# Altium PCB FMC_ADC_250M_16B_4ch.PcbDoc (part 2 of 8) (continued)
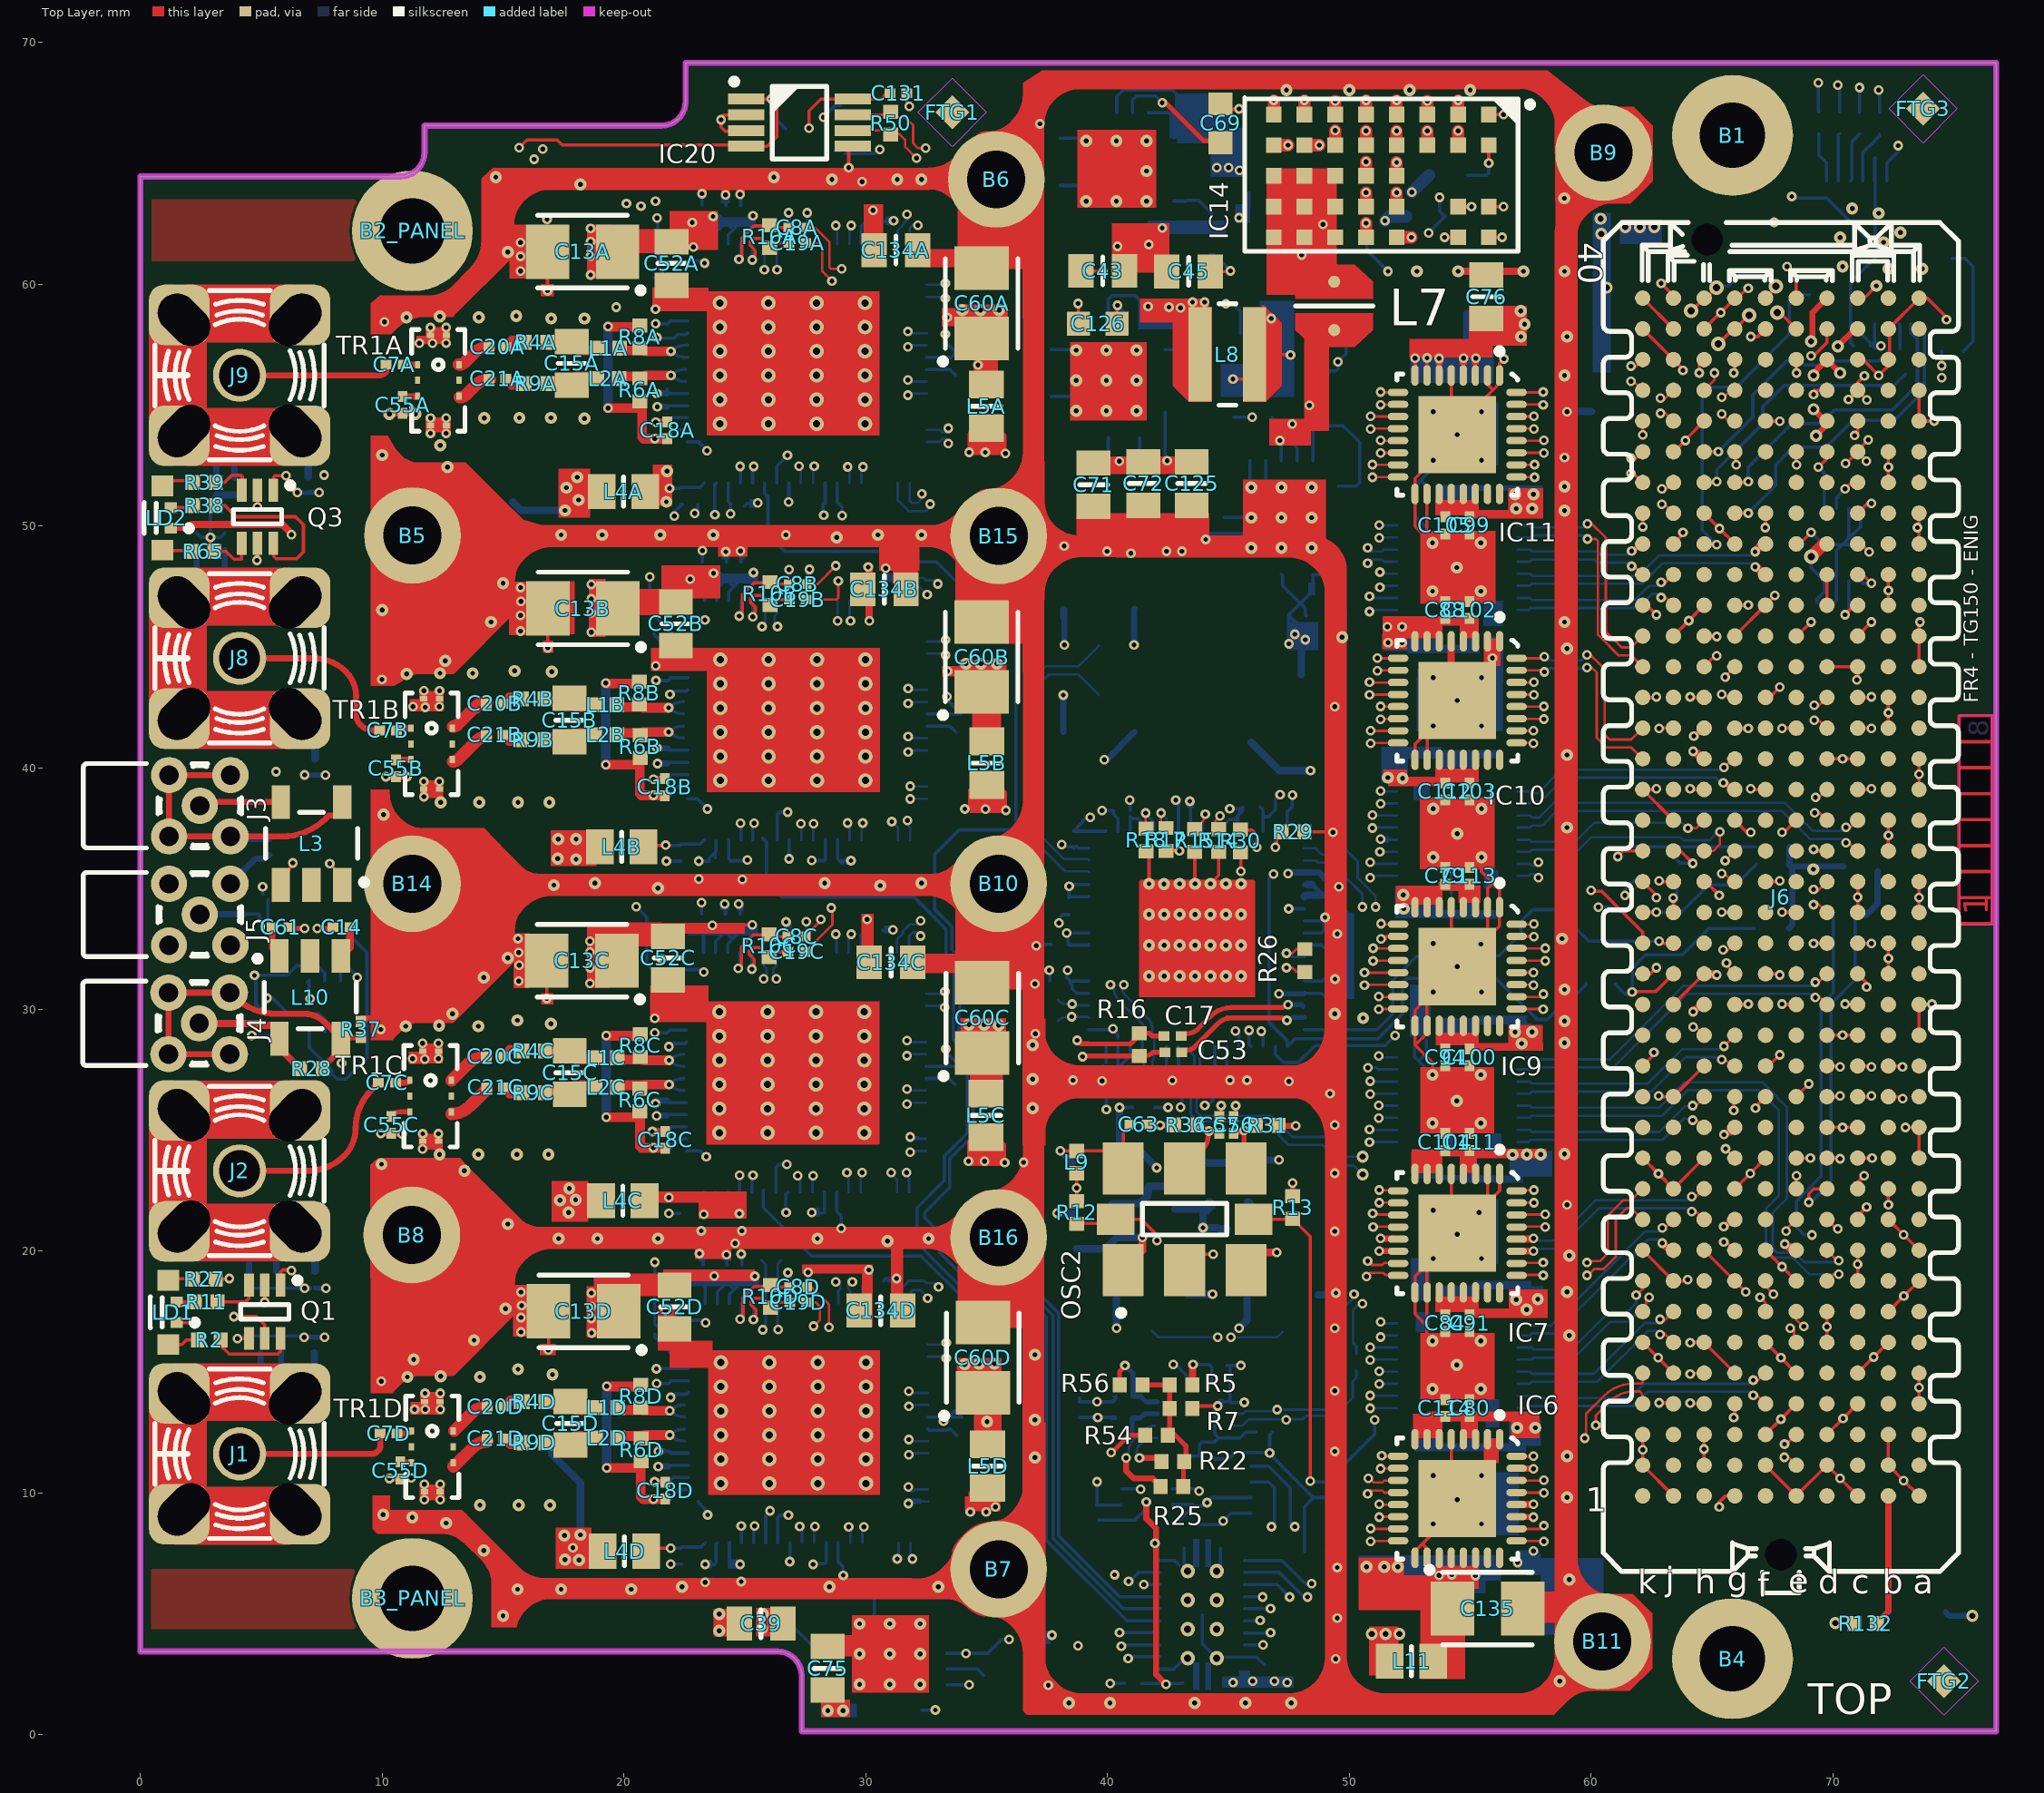
[diagram p0: Top Layer view]
## Footprints (in the part's own frame and the unit in brackets; to place one, negate y for a bottom-side part, rotate by r counter-clockwise, add the part's x,y. Pads: shape width x height; smd on the part's side, far side on the other; paste and mask are expansions set on the pad) (continued)
  silkscreen extent -2.1,-1.1 2.1,1.1, body extent -2.05,-1.05 2.05,1.05, height 0.91
"XFMR_MA-COM_SM-22 (H260)" [mm] "MA-COM E-Serie RF 1:1 Transmission Line Ttransformer 4.5-3000MHz"
  rect 0.76x1.4 smd: 1(-1.27,1.715) 2(0,1.715) 3(1.27,1.715) 4(1.27,-1.715) 5(-1.27,-1.715)
  silkscreen extent -2.3,-1.3 1.91,1.72, body extent -1.9,-1.9 1.91,1.91, height 2.6

## Part data
AVDD1 AVDD2 OVDD P3V3 P3V3D VBUF VCLK: library part SMD_PAD_1.27X1.27MM, Author="CERN DEM JLC", ComponentHeight=0mm, Component Type="Standard (No BOM)", CreateDate=12/01/2008, Family="Test Point", HelpURL=Undefined, LatestRevisionDate=12/01/2008, Mounted=No, PackageDescription="1.27mm x 1.27mm PCB Copper Area (SMD Test Point)", Part Description="1.27mm x 1.27mm PCB Copper Area (SMD Test Point)", Part Number=SMD_PAD_1.27X1.27MM, Pin Count=1, Sense=No, SMD=Yes, Socket=No, Status=None
B1 B2_PANEL B3_PANEL B4: library part PLATED_HOLE2.7_PAD5.0_M, "Single Terminal Socket", Author="LNLS DIG FCS", ComponentHeight=0mm, Component Type="Standard (No BOM)", CreateDate=06/06/2016, Family="Plated Hole", HelpURL=Undefined, LatestRevisionDate=06/06/2016, Mounted=No, PackageDescription="Plated Through Hole: Hole Dia.=2.7mm Pad Dia.=5.0mm Middle hole 3mm", Part Description="Plated Through Hole: Hole Dia.=2.7mm Pad Dia.=5.0mm Middle hole 3mm", Part Number=PLATED_HOLE2.7_PAD5.0_M, Pin Count=1, Sense=No, SMD=No, Socket=No, Status=None
B5 B6 B7 B8 B9 B10 B11 B14 B15 B16: library part PLATED_HOLE2.4_PAD4.0_M, "Single Terminal Socket", Author="LNLS DIG FCS", ComponentHeight=0mm, Component Type="Standard (No BOM)", CreateDate=06/06/2016, Family="Plated Hole", HelpURL=Undefined, LatestRevisionDate=06/06/2016, Mounted=No, PackageDescription="Plated Through Hole: Hole Dia.=2.4mm Pad Dia.=4.0mm Middle hole 2.8mm", Part Description="Plated Through Hole: Hole Dia.=2.4mm Pad Dia.=4.0mm Middle hole 2.8mm", Part Number=PLATED_HOLE2.4_PAD4.0_M, Pin Count=1, Sense=No, SMD=No, Socket=No, Status=None
C1A C1B C1C C1D C2A C2B C2C C2D C3A C3B C3C C3D C4A C4B C4C C4D C5A C5B C5C C5D C6A C6B C6C C6D C7A C7B C7C C7D C8A C8B C8C C8D C9A C9B C9C C9D C10A C10B C10C C10D C11A C11B C11C C11D C12A C12B C12C C12D C14 C16 C17 C18A C18B C18C C18D C19A C19B C19C C19D C20A C20B C20C C20D C21A C21B C21C C21D C22 C23 C24A C24B C24C C24D C25 C26 C27 C28 C29 C30 C31 C32 C33 C34 C35 C37 C38 C47 C48 C49 C50 C51 C53 C54A C54B C54C C54D C55 C55A C55B C55C C55D C56 C57 C58 C61 C62 C63 C78 C79 C80 C81 C83 C84 C85 C86 C88 C89 C90 C91 C93 C94 C95 C96 C98 C99 C100 C101 C103 C104 C105 C106 C107 C108 C109 C110 C112 C114 C115 C116 C118 C119 C120 C121 C124 C129 C130 C132 C133A C133B C133C C133D: library part CC0201_100NF_6.3V_10%_X5R, "Non-polarised capacitor", Case=0201, Manufacturer=GENERIC, Manufacturer1 ComponentHeight=0.33mm, Manufacturer1 Example=AVX, Manufacturer1 Part Number=02016D104KAT2A, Tolerance=±10%, Voltage=6.3V, Author="CERN DEM JLC", Component Type=Standard, CreateDate=03/12/2007, HelpURL=\\cern.ch\dfs\Applications\Altium\Datasheets\CC0201_X5R_AVX.pdf, LatestRevisionDate=03/12/2007, Manufacturer Part Number=CC0201_100NF_6.3V_10%_X5R, Mounted=Yes, Part Description="SMD Multilayer Chip Ceramic Capacitor", Part Number=CC0201_100NF_6.3V_10%_X5R, Pin Count=2, Sense=No, SMD=Yes, Socket=No, Status="Not Recommended", Table="Capacitors SMD", TC=X5R
C13A C13B C13C C13D C60A C60B C60C C60D C135: library part CTE3528-21_47UF_6.3V_10%_LESR0250, "Polarised capacitor", Case=B, Manufacturer=GENERIC, Manufacturer1 ComponentHeight=2.1mm, Manufacturer1 Example=AVX, Manufacturer1 Part Number=TPSB476K006R0250, Tolerance=±10%, Voltage=6.3V, Author="CERN DEM JLC", Component Type=Standard, CreateDate=05/05/2008, HelpURL=\\cern.ch\dfs\Applications\Altium\Datasheets\CTE-LESR_AVX_TPS.pdf, LatestRevisionDate=20/01/2009, Manufacturer Part Number=CTE3528-21_47UF_6.3V_10%_LESR0250, Mounted=Yes, Part Description="Low ESR 0R25 Solid Tantalum Chip Capacitor", Part Number=CTE3528-21_47UF_6.3V_10%_LESR0250, Pin Count=2, Sense=No, SMD=Yes, Socket=No, Status=Preferred
C15A C15B C15C C15D: library part CC0805_12PF_50V_5%_NP0, "Non-polarised capacitor", Case=0805, Manufacturer=GENERIC, Manufacturer1 ComponentHeight=1.35mm, Manufacturer1 Example=PHYCOMP, Manufacturer1 Part Number=223886115129, Tolerance=±5%, Voltage=50V, Author="CERN DEM JLC", Component Type=Standard, CreateDate=03/12/2007, HelpURL=\\cern.ch\dfs\Applications\Altium\Datasheets\CC0805_NP0_PHYCOMP.pdf, LatestRevisionDate=03/12/2007, Manufacturer Part Number=CC0805_12PF_50V_5%_NP0, Mounted=Yes, Part Description="SMD Multilayer Chip Ceramic Capacitor", Part Number=CC0805_12PF_50V_5%_NP0, Pin Count=2, Sense=No, SMD=Yes, Socket=No, Status=Preferred, TC=C0G/NP0
C36 C39 C40 C42 C43 C44 C45 C70 C71 C72 C73 C74 C75 C77 C125 C127: library part CC0805_10UF_16V_10%_X5R, "Non-polarised capacitor", Case=0805, Manufacturer=GENERIC, Manufacturer1 ComponentHeight=1.4mm, Manufacturer1 Example=KEMET, Manufacturer1 Part Number=C0805C106K4PAC, Tolerance=±10%, Voltage=16V, Author="CERN DEM JLC", Component Type=Standard, CreateDate=03/12/2007, HelpURL=\\cern.ch\dfs\Applications\Altium\Datasheets\CC1206_X5R_KEMET.pdf, LatestRevisionDate=03/12/2007, Manufacturer Part Number=CC0805_10UF_16V_10%_X5R, Mounted=Yes, Part Description="SMD Multilayer Chip Ceramic Capacitor", Part Number=CC0805_10UF_16V_10%_X5R, Pin Count=2, Sense=No, SMD=Yes, Socket=No, Status=Preferred, TC=X5R
C41 C46 C69 C126 C128: library part CC0603_1UF_16V_10%_X7R, "Non-polarised capacitor", Case=0603, Manufacturer=GENERIC, Manufacturer1 ComponentHeight=0.9mm, Manufacturer1 Example="YAGEO PHYCOMP", Manufacturer1 Part Number=223878615663, Manufacturer Part Number=CC0603_1uF_16V_10%_X7R, Tolerance=±10%, Voltage=16V, Author="CERN DEM JLC", Component Type=Standard, CreateDate=03/12/2007, HelpURL=\\cern.ch\dfs\Applications\Altium\Datasheets\CC0603_X7R_PHYCOMP.pdf, LatestRevisionDate=17/04/2015, Mounted=Yes, Part Description="SMD Multilayer Chip Ceramic Capacitor", Part Number=CC0603_1UF_16V_10%_X7R, Pin Count=2, Sense=No, SMD=Yes, Socket=No, Status=None, TC=X7R
C52A C52B C52C C52D C68 C76 C123 C134A C134B C134C C134D: library part CC0805_2.2UF_16V_10%_X7R, "Non-polarised capacitor", Case=0805, Manufacturer=GENERIC, Manufacturer1 ComponentHeight=1.5mm, Manufacturer1 Example=MURATA, Manufacturer1 Part Number=GRM21BF51C225ZA01L, Tolerance=±10%, Voltage=16V, Author="CERN DEM JLC", Component Type=Standard, CreateDate=03/12/2007, HelpURL=\\cern.ch\dfs\Applications\Altium\Datasheets\CC0805_X7R_MURATA_GRM.pdf, LatestRevisionDate=18/09/2014, Manufacturer Part Number=CC0805_2.2UF_16V_10%_X7R, Mounted=Yes, Part Description="SMD Multilayer Chip Ceramic Capacitor", Part Number=CC0805_2.2UF_16V_10%_X7R, Pin Count=2, Sense=No, SMD=Yes, Socket=No, Status=Preferred, TC=X7R
C59: library part CC0603_4.7UF_25V_10%_X5R, "Non-polarised capacitor", Case=0603, Manufacturer=GENERIC, Manufacturer1 ComponentHeight=0.95mm, Manufacturer1 Example=MURATA, Manufacturer1 Part Number=GRM188R61E475KE11D, Tolerance=±10%, Voltage=25V, Author="CERN DEM JLC", Component Type=Standard, CreateDate=10/11/2014, HelpURL=\\cern.ch\dfs\Applications\Altium\Datasheets\CC0603_MURATA_GRM188R61E475KE11D.pdf, LatestRevisionDate=10/11/2014, Manufacturer Part Number=CC0603_4.7UF_25V_10%_X5R, Mounted=Yes, Part Description="SMD Multilayer Chip Ceramic Capacitor", Part Number=CC0603_4.7UF_25V_10%_X5R, Pin Count=2, Sense=No, SMD=Yes, Socket=No, Status=None, TC=X5R
C64 C65: library part CC0603_1.2NF_50V_10%_X7R, "Non-polarised capacitor", Case=0603, Manufacturer=GENERIC, Manufacturer1 ComponentHeight=0.87mm, Manufacturer1 Example=PHYCOMP, Manufacturer1 Part Number=223858615624, Tolerance=±10%, Voltage=50V, Author="CERN DEM JLC", Component Type=Standard, CreateDate=03/12/2007, HelpURL=\\cern.ch\dfs\Applications\Altium\Datasheets\CC0603_X7R_PHYCOMP.pdf, LatestRevisionDate=03/12/2007, Manufacturer Part Number=CC0603_1.2NF_50V_10%_X7R, Mounted=Yes, Part Description="SMD Multilayer Chip Ceramic Capacitor", Part Number=CC0603_1.2NF_50V_10%_X7R, Pin Count=2, Sense=No, SMD=Yes, Socket=No, Status=Preferred, TC=X7R
C66: library part CC0603_820PF_50V_10%_X7R, "Non-polarised capacitor", Case=0603, Manufacturer=GENERIC, Manufacturer1 ComponentHeight=0.87mm, Manufacturer1 Example=PHYCOMP, Manufacturer1 Part Number=223858615622, Tolerance=±10%, Voltage=50V, Author="CERN DEM JLC", Component Type=Standard, CreateDate=03/12/2007, HelpURL=\\cern.ch\dfs\Applications\Altium\Datasheets\CC0603_X7R_PHYCOMP.pdf, LatestRevisionDate=03/12/2007, Manufacturer Part Number=CC0603_820PF_50V_10%_X7R, Mounted=Yes, Part Description="SMD Multilayer Chip Ceramic Capacitor", Part Number=CC0603_820PF_50V_10%_X7R, Pin Count=2, Sense=No, SMD=Yes, Socket=No, Status=Preferred, TC=X7R
C67: library part CC0603_27NF_25V_10%_X7R, "Non-polarised capacitor", Case=0603, Manufacturer=GENERIC, Manufacturer1 ComponentHeight=0.87mm, Manufacturer1 Example=PHYCOMP, Manufacturer1 Part Number=223891615642, Tolerance=±10%, Voltage=25V, Author="CERN DEM JLC", Component Type=Standard, CreateDate=03/12/2007, HelpURL=\\cern.ch\dfs\Applications\Altium\Datasheets\CC0603_X7R_PHYCOMP.pdf, LatestRevisionDate=03/12/2007, Manufacturer Part Number=CC0603_27NF_25V_10%_X7R, Mounted=Yes, Part Description="SMD Multilayer Chip Ceramic Capacitor", Part Number=CC0603_27NF_25V_10%_X7R, Pin Count=2, Sense=No, SMD=Yes, Socket=No, Status=Preferred, TC=X7R
C82 C87 C92 C97 C102 C111 C113 C117 C122 C131: library part CC0201_10NF_10V_10%_X7R, "Non-polarised capacitor", Case=0201, Manufacturer=GENERIC, Manufacturer1 ComponentHeight=0.33mm, Manufacturer1 Example=Murata, Manufacturer1 Part Number=GRM033R71A103KA01D, Tolerance=±10%, Voltage=10V, Author="LNLS DIG GBMB", Component Type=Standard, CreateDate=14/06/2016, LatestRevisionDate=14/06/2016, Manufacturer Part Number=CC0201_10NF_10V_10%_X7R, Mounted=Yes, Part Description="SMD Multilayer Chip Ceramic Capacitor", Part Number=CC0201_10NF_10V_10%_X7R, Pin Count=2, Sense=No, SMD=Yes, Socket=No, TC=X7R
  C82 C87 C92 C97 C102 C111 C113 C117 C122: Status="Not Recommended"
  C131: Status=None
D1: "Serial Diode", Case=SOT23, Manufacturer=INFINEON, Power=250mA, Voltage=150V, Author="CERN DEM JLC", Bonding=No, ComponentHeight=1.1mm, Component Type=Standard, CreateDate=18/01/2010, Device=BAR66, HelpURL=\\cern.ch\dfs\Applications\Altium\Datasheets\BAR66.pdf, LatestRevisionDate=05/10/2010, Manufacturer Part Number=BAR66, Mounted=Yes, PackageDescription="SOT23 3-Leads, Pitch 0.95mm - Body 1.3x2.9mm, IPC Medium Density", Part Description="Silicon PIN Diode Array (Series Connected)", Part Number=BAR66, Pin Count=3, PressFit=No, Sense=No, SMD=Yes, Socket=No
D3 D4 D5 D6: "Schottky Diode", Case=SOD523, Manufacturer="NXP SEMICONDUCTORS", Power=200mA, Voltage=40V, Author="CERN DEM JMW", Bonding=No, ComponentHeight=0.65mm, Component Type=Standard, CreateDate=21/04/2009, Device=PMEG4002EB, HelpURL=\\cern.ch\dfs\Applications\Altium\Datasheets\PMEG4002EB.pdf, LatestRevisionDate=07/05/2009, Manufacturer Part Number=PMEG4002EB, Mounted=Yes, PackageDescription="Ultra Small Outline Diode Flat Lead (SOD-523), Body; 1.2mm L X 0.8mm W X 0.65mm H, IPC Medium Density", Part Description="Very Low VF MEGA Schottky Barrier Rectifier", Part Number=PMEG4002EB, Pin Count=2, PressFit=No, Sense=No, SMD=Yes, Socket=No, Table=Diodes
FTG1 FTG2 FTG3 FTG4 FTG5 FTG6: library part FIDUCIAL_TARGET_S100-200, "Fiducial Target", Author="CERN DEM JLC", ComponentHeight=0mm, Component Type="Standard (No BOM)", CreateDate=09.02.2010, Family=Fiducial, LatestRevisionDate=09.02.2010, Mounted=No, PackageDescription="Scare Fiducial Target, Top Layer, 1.0mm, Top Sloder 2.0mm, Keepout =2.0mm", Part Description="Scare Fiducial Target, Top Layer, 1.0mm, Top Sloder 2.0mm, Keepout =2.0mm", Part Number=FIDUCIAL_TARGET_S100-200, Pin Count=1, SMD=Yes, Socket=No, Status=None, Table=Pads
IC1A IC1B IC1C IC1D: "16-Bit, 250MSPS ADC (LVDS Mode)", Case=QFN72, Manufacturer=INTERSIL, Author="CERN DEM JLC", Bonding=No, ComponentHeight=0.9mm, Component Type=Standard, CreateDate=18/09/2012, Device=ISLA216P25IRZ, HelpURL=\\cern.ch\dfs\Applications\Altium\Datasheets\ISLA216P25IRZ.pdf, LatestRevisionDate=18/09/2012, Manufacturer Part Number=ISLA216P25IRZ, Mounted=Yes, PackageDescription="INTERSIL Case Style L72.10x10E, QFN, 0.50mm Pitch, Square; 72 Pin, 10.00mm L X 10.00mm W X 1.00mm H body (w/ Thermal Tab 7.15 X 6mm)", Part Description="16-Bit, 250MSPS ADC", Part Number=ISLA216P25IRZ, Pin Count=16, PressFit=No, Sense=No, SMD=Yes, Socket=No, Table="Analog & Interface"
IC2: "1.2 GHz Clock Distribution IC, PLL Core, Dividers, Delay Adjust, Eight Outputs", Case=QFN64, Manufacturer="ANALOG DEVICES", Supplier Part Number 1=41591377S7217514N2771, Author="CERN DEM JLC", Bonding=No, ComponentHeight=1mm, Component Type=Standard, CreateDate=09/10/2012, Device=AD9510BCPZ, HelpURL=\\cern.ch\dfs\Applications\Altium\Datasheets\AD9510BCPZ.pdf, LatestRevisionDate=09/10/2012, Manufacturer Part Number=AD9510BCPZ, Mounted=Yes, PackageDescription="QFN, 0.50mm Pitch, Square; 64 Pin, 9.00mm L X 9.00mm W X 1.00mm H Body (4.85 X 4.85mm Thermal Tab), IPC Medium Density", Part Description="1.2 GHz Clock Distribution IC, PLL Core, Dividers, Delay Adjust, Eight Outputs", Part Number=AD9510BCPZ, Pin Count=65, PressFit=No, Sense=No, SMD=Yes, Socket=No, Supplier 1=Arrow, Table=Logic
IC4: "2:1 Differential-to-LVDS Multiplexer", Case=QFN16, Manufacturer="INTEGRATED DEVICE TECHNOLOGY (IDT)", Author="LNLS DIG GBMB", Bonding=No, ComponentHeight=1.0mm, Component Type=Standard, CreateDate=03/06/2016, Device=ICS854S01AKILF, LatestRevisionDate=03/06/2016, Manufacturer Part Number=ICS854S01AKILF, Mounted=Yes, PackageDescription="QFN, 0.50mm Pitch, Square; 16 Pin, 3.00mm L X 3.00mm W X 1.00mm H Body (w/Thermal Tab 1.00 X 1.80mm),  IPC Medium Density", Part Description="2:1 Differential-to-LVDS Multiplexer", Part Number=ICS854S01AKILF, Pin Count=16, PressFit=No, Sense=No, SMD=Yes, Socket=No
IC5 IC6 IC7 IC8 IC9 IC10 IC11 IC12 IC13: library part DS90LV804TSQ, "4-Channel 800 Mbps LVDS Buffer/Repeater", Case=QFN32, Manufacturer="TEXAS INSTRUMENTS", Author="LNLS DIG GBMB", Bonding=No, ComponentHeight=0.8mm, Component Type=Standard, CreateDate=01/06/2016, Device=DS90LV804, LatestRevisionDate=01/06/2016, Manufacturer Part Number=DS90LV804TSQ, Mounted=Yes, PackageDescription="QFN, 0.50mm Pitch, Square; 8 Pin X 8 Pin, 5mm X 5mm X 0.8mm H Body (w/Thermal Tab 3.2 X 3.2mm),  IPC Medium Density", Part Description="4-Channel 800Mbps LVDS Buffer/Repeater", Part Number=DS90LV804TSQ, Pin Count=33, PressFit=No, Sense=No, SMD=Yes, Socket=No
IC14: "36VIN, 500mA  Step-Down DC/DC Module", Manufacturer="LINEAR TECHNOLOGY", Author="LNLS DIG GBMB", Bonding=No, ComponentHeight=2.92mm, Component Type=Standard, CreateDate=28/05/2016, Device=LTM8021IV#PBF, LatestRevisionDate=28/05/2016, Manufacturer Part Number=LTM8021IV#PBF, Mounted=Yes, PackageDescription="LGA, 1.27mm pitch,rect.; 35 pin,5 columns X 8 rows, 6.25mm X 11.25mm X 2.92mm H", Part Description="36VIN, 500mA  Step-Down DC/DC Module", Part Number=LTM8021IV#PBF, Pin Count=35, PressFit=No, Sense=No, SMD=Yes, Socket=No
IC15: "Integrated, Multichannel ADC and DAC for Analog Monitoring & Control", Case=QFN40, Manufacturer="TEXAS INSTRUMENTS", Author="CERN DEM JLC", Bonding=No, ComponentHeight=0.8mm, Component Type=Standard, CreateDate=11/10/2012, Device=AMC7823IRTAT, HelpURL=\\cern.ch\dfs\Applications\Altium\Datasheets\AMC7823IRTAT.pdf, LatestRevisionDate=11/10/2012, Manufacturer Part Number=AMC7823IRTAT, Mounted=Yes, PackageDescription="QFN, 0.50mm Pitch, Square; 40 Pin, 6.00mm L X 6.00mm W X 0.80mm H body (w/Thermal Tab 4.25 x 4.25mm), IPC Medium Density", Part Description="Integrated, Multichannel ADC and DAC for Analog Monitoring & Control", Part Number=AMC7823IRTAT, Pin Count=41, PressFit=No, Sense=No, SMD=Yes, Socket=No, Table="Analog & Interface"
IC16 IC17 IC24 IC25: "Low Noise (3uVrms), 1A, High Voltage Low-Dropout Linear Regulator", Case=QFN20, Manufacturer="TEXAS INSTRUMENTS", Author="CERN DEM JLC", Bonding=No, ComponentHeight=1mm, Component Type=Standard, CreateDate=03/07/2012, Device=TPS7A4700RGWT, HelpURL=\\cern.ch\dfs\Applications\Altium\Datasheets\TPS7A4700RGWT.pdf, LatestRevisionDate=03/07/2012, Manufacturer Part Number=TPS7A4700RGWT, Mounted=Yes, PackageDescription="QFN, 0.65mm pitch,square; 20 pin, 5mm X 5mm X 1mm H body (w/thermal tab 3.25 X 3.25mm),  IPC Medium Density", Part Description="1.4 V to 19.1 V, 1A, Low Noise (3uVrms), Low-Dropout Linear Regulator", Part Number=TPS7A4700RGWT, Pin Count=21, PressFit=No, Sense=No, SMD=Yes, Socket=No, Table=Regulators
IC18: "8-Bit Dual-Supply Bus Transceiver With Configurable Voltage Translation and 3-State Outputs", Case=VQFN24, Manufacturer="TEXAS INSTRUMENTS", Author="LNLS DIG GBMB", Bonding=No, ComponentHeight=1.0mm, Component Type=Standard, CreateDate=28/05/2016, Device=SN74LVC8T245RHLR, HelpURL=\\cern.ch\dfs\Applications\Altium\Datasheets\SN74LVC8T245PW.pdf, LatestRevisionDate=28/05/2016, Manufacturer Part Number=SN74LVC8T245RHLR, Mounted=Yes, PackageDescription="QFN, 24-Leads, Body 5.6x3.6mm (max), Pitch 1.50mm, Pitch1 0.5mm, IPC Medim Density", Part Description="8-Bit Dual-Supply Bus Transceiver With Configurable Voltage Translation and 3-State Outputs", Part Number=SN74LVC8T245RHLR, Pin Count=24, PressFit=No, Sense=No, SMD=Yes, Socket=No
IC19: "Single-Bit Dual-Supply Bus Transceiver", Case=SOT363, Manufacturer="TEXAS INSTRUMENTS", Author="CERN DEM JLC", Bonding=No, ComponentHeight=1.1mm, Component Type=Standard, CreateDate=27/09/2010, Device=SN74LVC1T45DCKT, HelpURL=\\cern.ch\dfs\Applications\Altium\Datasheets\SN74LVC1T45DCKT.pdf, LatestRevisionDate=27/09/2010, Manufacturer Part Number=SN74LVC1T45DCKT, Mounted=Yes, PackageDescription="SOT363, SC70-6, SOT, 0.65mm Pitch, 6 pin, 1.25mm W X 2.00mm L X 1.10mm H, IPC Medium Density", Part Description="Single-Bit Dual-Supply Bus Transceiver with Configurable Voltage Translation and 3-State Outputs", Part Number=SN74LVC1T45DCKT, Pin Count=6, PressFit=No, Sense=No, SMD=Yes, Socket=No
IC20: "Differential Bus Transceiver", Case=SOP8, Manufacturer="TEXAS INSTRUMENTS", Author="LNLS DIG GBMB", Bonding=No, ComponentHeight=1.1mm, Component Type=Standard, CreateDate=28/05/2016, Device=SN65LVDM176DGK, LatestRevisionDate=28/05/2016, Manufacturer Part Number=SN65LVDM176DGK, Mounted=Yes, PackageDescription="SOP, 0.65mm pitch; 8 pin, 3.00mm W X 3.00mm L X 1.10mm H body, IPC Medium Density", Part Description="High Speed Differential Transceiver LVDS/LVTTL", Part Number=SN65LVDM176DGK, Pin Count=8, PressFit=No, Sense=No, SMD=Yes, Socket=No
IC22: "1.7-5.5V 64K I2C Serial EEPROM", Case=DFN8, Manufacturer="MICROCHIP TECHNOLOGY", Author="CERN DEM JLC", Bonding=No, ComponentHeight=1mm, Component Type=Standard, CreateDate=18/11/2009, Device=24AA64T-I/MC, HelpURL=\\cern.ch\dfs\Applications\Altium\Datasheets\24AA64T-I-MC.pdf, LatestRevisionDate=24/01/2011, Manufacturer Part Number=24AA64T-I/MC, Mounted=Yes, PackageDescription="SON (DFN), 0.50mm pitch, 8 pin, 2mm X 3mm X 1.00mm H body (w/thermal tab 1.75 X 1.55mm),  IPC Medium Density", Part Description="1.7V-5.5V, 64K  (8K x 8-bit) I2C Serial EEPROM", Part Number=24AA64T-I/MC, Pin Count=9, PressFit=No, Sense=No, SMD=Yes, Socket=No, Table=Logic
IC26: "Dual Bidirectional I2C Bus And SMBus Voltage-Level Translator", Case=SSOP8, Manufacturer="TEXAS INSTRUMENTS", Author="CERN DEM JLC", Bonding=No, ComponentHeight=1.3mm, Component Type=Standard, CreateDate=25/02/2013, Device=PCA9306DCTR, HelpURL=\\cern.ch\dfs\Applications\Altium\Datasheets\PCA9306DCTR.pdf, LatestRevisionDate=11/02/2016, Manufacturer Part Number=PCA9306DCTR, Mounted=Yes, PackageDescription="SOP, 0.65mm, Pitch; 8 Pin, 2.80mm W X 2.95mm L X 1.30mm H Body, PC Medium Density", Part Description="Dual Bidirectional I2C Bus And SMBus Voltage-Level Translator", Part Number=PCA9306DCTR, Pin Count=8, PressFit=No, Sense=No, SMD=Yes, Socket=No, Table="Analog & Interface"
J1 J2 J8 J9: library part AMPHENOL_901-143, Manufacturer=AMPHENOL, Manufacturer Part Number=901-143, Author="LNLS DIG GBMB", ComponentHeight=10.0mm, Component Type=Standard, CreateDate=31/05/2016, Family=SMA, LatestRevisionDate=02/03/2017, Mounted=Yes, Part Description="50 Ohm Through Hole SMA 90 degrees PCB Jack", Part Number=AMPHENOL_901-143, Pin Count=5, PressFit=No, Sense=No, SMD=No, Socket=No, Status=None
J3 J4 J5: library part HUBER-SUHNER_85_MMCX-50-0-1/111_OH, Manufacturer=HUBER+SUHNER, Manufacturer Part Number=85_MMCX-50-0-1/111_OH, Author="CERN DEM JLC", ComponentHeight=9.6mm, Component Type=Standard, CreateDate=04/10/2011, Family=MMCX, HelpURL=\\cern.ch\dfs\Applications\Altium\Datasheets\HUBER-SUHNER_85_MMCX-50-0-1-111_OH.pdf, LatestRevisionDate=06/11/2014, Mounted=Yes, Part Description="MMCX 50 Ohms Right Angle PCB Jack", Part Number=HUBER-SUHNER_85_MMCX-50-0-1/111_OH, Pin Count=2, PressFit=No, Sense=No, SMD=No, Socket=No, Status=None
J6: library part SAMTEC_ASP-134488-01, "Connector VITA 57, 400 Male contacts in 10 row abcdefghj", Manufacturer=SAMTEC, Manufacturer Part Number=ASP-134488-01, Author="CERN DEM JLC", ComponentHeight=6.1mm, Component Type=Standard, CreateDate=30/04/2009, Family="VITA 57", HelpURL=\\cern.ch\dfs\Applications\Altium\Datasheets\SAMTEC_ASP-134488-01.pdf, LatestRevisionDate=17/08/2009, Mounted=Yes, Part Description="400 contacts (10 rows abcdefghj) Surface Mount Male Connector, VITA 57 (MC-HPC-10)", Part Number=SAMTEC_ASP-134488-01, Pin Count=400, PressFit=No, Sense=No, SMD=Yes, Socket=No, Status=None, Table=SAMTEC
J7 J10 J12 J13: library part HIROSE_U.FL-R-SMT-1(10), Manufacturer="HIROSE (HRS)", Manufacturer Part Number=U.FL-R-SMT-1(10), Author="CERN DEM JLC", ComponentHeight=1.25mm, Component Type=Standard, CreateDate=24/03/2010, Family=U.FL, HelpURL=\\cern.ch\dfs\Applications\Altium\Datasheets\HIROSE_U.FL-R-SMT-1(10).pdf, LatestRevisionDate=24/03/2010, Mounted=Yes, Part Description="Up to 6GHz Ultra Small Surface Mount Male Coaxial Connectors U.FL Series", Part Number=HIROSE_U.FL-R-SMT-1(10), Pin Count=2, PressFit=No, Sense=No, SMD=Yes, Socket=No, Status=None, Table=Miscellaneous
J11: library part SMD_PAD_4X3MM, "Single SMD Pad", Author="CERN DEM JLC", ComponentHeight=0mm, Component Type="Standard (No BOM)", CreateDate=15/03/2010, Family="SMD Pad", HelpURL=Undefined, LatestRevisionDate=15/03/2010, Mounted=No, PackageDescription="4mm x  3mm SMD Pad", Part Description="4mm x 3mm SMD Pad", Part Number=SMD_PAD_4X3MM, Pin Count=1, Sense=No, SMD=No, Socket=No, Status=None
L1A L1B L1C L1D L2A L2B L2C L2D: library part IND0402_5.6nH_0.3n_JOHANSON_L-07C5N6SV6T, "Inductor", Case=0402, Manufacturer=JOHANSON, Manufacturer Part Number=L-07C5N6SV6T, Power=300mA, Resistance=0.270R, Tolerance=±0.3nH, Author="LNLS DIG GBMB", ComponentHeight=0.3mm, Component Type=Standard, CreateDate=01/06/2016, LatestRevisionDate=01/06/2016, Mounted=YES, Part Description="RF Ceramic Chip Inductor", Part Number=IND0402_5.6nH_0.3n_JOHANSON_L-07C5N6SV6T, Pin Count=2, Sense=No, SMD=Yes, Socket=No, Status=None
L3 L10: library part XFMR_MA-COM_MABA-007159-000000, "MA-COM E-Serie RF 1:1 Transmission Line Ttransformer 4.5-3000MHz", Manufacturer="MA-COM TECHNOLOGY", Manufacturer Part Number=MABA-007159-000000, Author="CERN DEM JLC", ComponentHeight=2.6mm, Component Type=Standard, CreateDate=03/10/2012, HelpURL=\\cern.ch\dfs\Applications\Altium\Datasheets\XFMR_MA-COM_MABA-007159-000000.pdf, LatestRevisionDate=03/10/2012, Mounted=Yes, Part Description="RF Transmission Line Ttransformer 4.5-3000MHz (E-Serie)", Part Number=XFMR_MA-COM_MABA-007159-000000, Pin Count=5, Sense=No, SMD=Yes, Socket=No, Status=None, Table=Transformers